# Altium PCB WX0.007.100PCB-4.2.PcbDoc (part 1 of 2) (continued)
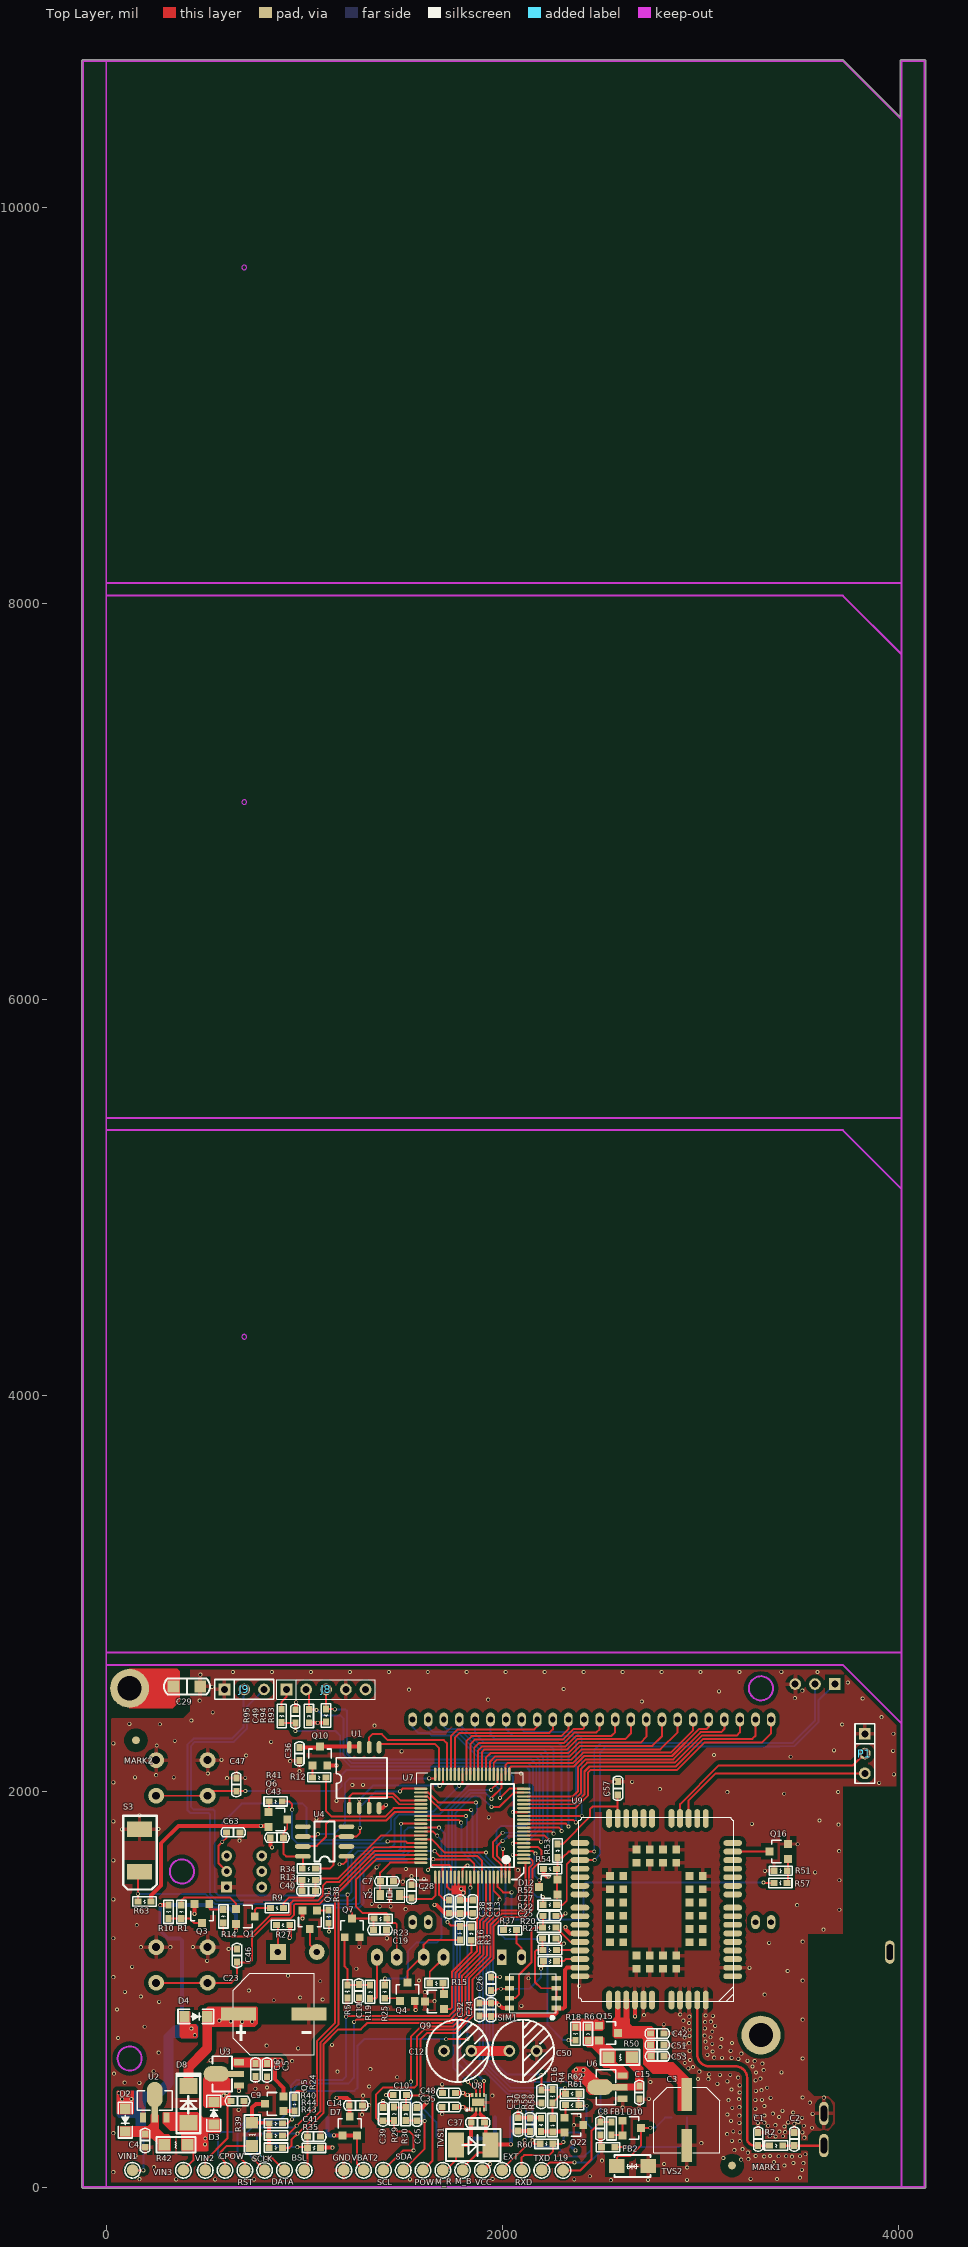
[diagram p0: Top Layer view]
## Components (designator, comment, footprint, x,y, rotation, side; value= is the part's Value field where it differs from the comment) (continued)
POW "TEST-PAD" TEST-PAD 1600,85 r90 top
Q1 "PNPS-9012" SOT-23 703,1367 r270 top
Q3 "NPNS-9013" SOT-23 483,1382 r180 top
Q4 "PNPS-9012" SOT-23 1521,987 r0 top
Q5 "PNPS-9012" SOT-23 849,421 r90 top
Q6 "PNPS-9012" SOT-23 867,1857 r270 top
Q7 "NPNS-9013" SOT-23 1242,1309.24 r0 top
Q9 "PNPS-9012" SOT-23 1658,938 r90 top
Q10 "PNPS-9012" SOT-23 1079,2177.74 r0 top
Q11 "NPNS-9013" SOT-23 1028,1350.74 r180 top
Q15 "UT3401ZG" SOT-23 2537,777.74 r270 top
Q16 "NPNS-9013" SOT-23 3397,1695.74 r90 top
Q22 "PNPS-9012" SOT-23 2362,313 r270 top
R1 "10k" RES0603 379,1357.74 r90 top
R2 "0R 5%" RES0603 3417,210 r180 top
R3 "3K 5%" RES0603 1844,1314 r270 top
R4 "1K" RES0603 2254,426 r90 top
R5 "47K 5%" RES0603 1218,955 r90 top
R6 "2M 5%" RES0603 2433,807.74 r270 top
R9 "330k" RES0603 829,1410 r0 top
R10 "10k" RES0603 314,1357.74 r90 top
R12 "3K 5%" RES0603 1109,2069.74 r180 top
R13 "220k" RES0603 1056,1552 r180 top
R14 "3k" RES0603 591,1335 r90 top
R15 "100R 5%" RES0603 1701,1030 r180 top
R16 "20K 5%" RES0603 1786,1316 r270 top
R18 "200K 5%" RES0603 2370,741.74 r90 top
R19 "20K 5%" RES0603 1333,1020 r270 top
R20 "22R 5%" RES0603 2274,1197 r180 top
R21 "22R 5%" RES0603 2208,1141 r0 top
R22 "22R 5%" RES0603 2204,1312 r0 top
R23 "20K 5%" RES0603 1352,1356 r0 top
R24 "3K 5%" RES0603 951,452 r270 top
R25 "10K 5%" RES0603 1407,954 r90 top
R27 "51R 5%" RES0603 860,1324 r0 top
R29 "5.1K 5%" RES0603 1454,403.74 r270 top
R30 "5.1K 5%" RES0603 1513,402.74 r270 top
R34 "20K 5%" RES0603 990,1609 r0 top
R35 "1M 5%" RES0603 1016,199 r0 top
R37 "1K 5%" RES0603 2006,1298 r0 top
R38 "3K 5%" RES0603 1122,1332.74 r90 top
R39 "51R 5%" RES1206 737,207 r90 top
R40 "10K 5%" RES0603 890,322 r180 top
R41 "3K 5%" RES0603 889,1948 r180 top
R42 "0R 5%" RES1206 293,214 r0 top
R43 "10K 5%" RES0603 890,199 r180 top
R44 "10K 5%" RES0603 890,261 r180 top
R50 "0R 5%" RES1206 2655,656 r180 top
R51 "20K 5%" RES0603 3440,1597.74 r180 top
R52 "1K 5%" RES0603 2207,1426 r0 top
R53 "20K 5%" RES0603 2280,1733 r270 top
R54 "NC" RES0603 2208,1607 r0 top
R57 "3K 5%" RES0603 3372,1536.74 r0 top
R58 "1K 5%" RES0603 2255,346 r270 top
R59 "10K 1%" RES0603 2196,281 r90 top
R60 "1K 5%" RES0603 2190,219 r0 top
R61 "10K 1%" RES0603 2320,414 r0 top
R62 "1K 5%" RES0603 2320,472 r0 top
R63 "1M 5%" RES0603 160,1443 r0 top
R93 "10K" RES0603 1110,2348.74 r90 top
R94 "10K" RES0603 1024,2412.74 r270 top
R95 "100R" RES0603 886,2346.74 r90 top
RST "TEST-PAD" TEST-PAD 700,85 r0 top
RXD "TEST-PAD" TEST-PAD 2100,85 r90 top
S1 "SWT_4_600_600_430" SWT_4_600_600 381.89,2066.93 r180 bottom locked
S2 "SWT_4_600_600_430" SWT_4_600_600 381.89,1122.05 r180 bottom locked
S3 "SWS_2_520_300_300" SWS_2_520_300 168,1592 r270 top
SCL "TEST-PAD" TEST-PAD 1400,85 r90 top
SCLK "TEST-PAD" TEST-PAD 800,85 r90 top
SDA "TEST-PAD" TEST-PAD 1500,85 r90 top
SIM1 "SIMIC" SIMIC 2037,1078 r270 top
TVS1 "SMBJ6.0CA" DO-214AA 1761,213 r0 top
TVS2 "SMAJ5.0CA" SMAJ5.0CA 2658,107 r0 top
TXD "TEST-PAD" TEST-PAD 2200,85 r90 top
U1 "GD25VQ80CSIG" SOP-8L-200MIL 1228,1914.74 r90 top
U2 "CE6232A50P" SOT-89 245,388 r0 top
U3 "CE6232A33P" SOT-89 635,571.74 r90 top
U4 "ESAM" SOP-8 1213,1670.74 r180 top
U6 "CE6232A36P" SOT-89 2573,505 r90 top
U7 "FM33LG0x8" LQFP80 1849,1825.74 r180 top locked
U8 "DRV8837DSGR" S-PWSON-N8 1878.49,428.74 r90 top
U9 "BC95B5JC-02-STD" BC95B5JC-02-STD 2778.43,1403.74 r180 top
VBAT2 "TEST-PAD" TEST-PAD 1300,85 r180 top
VCC "TEST-PAD" TEST-PAD 1900,85 r90 top
VIN1 "TEST-PAD" TEST-PAD 133,85 r180 top
VIN2 "TEST-PAD" TEST-PAD 500,85 r180 top
VIN3 "TEST-PAD" TEST-PAD 390,85 r180 top
Y2 "XTALSG12MD_32.768kD" SMD-3215_2P 1482,1475.74 r180 top

## Footprints (in the part's own frame and the unit in brackets; to place one, negate y for a bottom-side part, rotate by r counter-clockwise, add the part's x,y. Pads: shape width x height; smd on the part's side, far side on the other; paste and mask are expansions set on the pad)
220uf [mm]
  rect 4.2x1.4 smd: 1(-3.267,0) 2(3.267,0)
  silkscreen extent -4.2,-4.23 4.2,4.23
"Bar Code1" [mil]
  silkscreen extent 0,0 965,256
BC95B5JC-02-STD [mm]
  oval 2.4x0.75 smd: 1(-9.8,8.6) 2(-9.8,7.5) 3(-9.8,6.4) 4(-9.8,5.3) 5(-9.8,4.2) 6(-9.8,3.1) 7(-9.8,2) 8(-9.8,0.9) 9(-9.8,-0.2) 10(-9.8,-1.9) 11(-9.8,-3) 12(-9.8,-4.1) 13(-9.8,-5.2) 14(-9.8,-6.3) 15(-9.8,-7.4) 16(-9.8,-8.5) 28(9.8,-8.5) 29(9.8,-7.4) 30(9.8,-6.3) 31(9.8,-5.2) 32(9.8,-4.1) 33(9.8,-3) 34(9.8,-1.9) 35(9.8,-0.2) 36(9.8,0.9) 37(9.8,2) 38(9.8,3.1) 39(9.8,4.2) 40(9.8,5.3) 41(9.8,6.4) 42(9.8,7.5) 43(9.8,8.6)
  oval 0.75x2.4 smd: 17(-6.35,-11.65) 18(-5.25,-11.65) 19(-4.15,-11.65) 20(-3.05,-11.65) 21(-1.95,-11.65) 22(0.55,-11.65) 23(1.65,-11.65) 24(2.75,-11.65) 25(3.85,-11.65) 26(4.95,-11.65) 27(6.05,-11.65) 44(6.05,11.65) 45(4.95,11.65) 46(3.85,11.65) 47(2.75,11.65) 48(1.65,11.65) 49(0.55,11.65) 50(-1.95,11.65) 51(-3.05,11.65) 52(-4.15,11.65) 53(-5.25,11.65) 54(-6.35,11.65)
  rect 1x1 smd: 55(-5.95,4.25) 56(-5.95,2.55) 57(-5.95,0.85) 58(-5.95,-0.85) 59(-5.95,-2.55) 60(-5.95,-4.25) 61(-2.55,-7.65) 62(-0.85,-7.65) 63(0.85,-7.65) 64(2.55,-7.65) 65(5.95,-4.25) 66(5.95,-2.55) 67(5.95,-0.85) 68(5.95,0.85) 69(5.95,2.55) 70(5.95,4.25) 71(2.55,7.65) 72(0.85,7.65) 73(-0.85,7.65) 74(-2.55,7.65) 75(-4.25,4.25) 76(-4.25,2.55) 77(-4.25,0.85) 78(-4.25,-0.85) 79(-4.25,-2.55) 80(-4.25,-4.25) 81(-2.55,-5.95) 82(-0.85,-5.95) 83(0.85,-5.95) 84(2.55,-5.95) 85(4.25,-4.25) 86(4.25,-2.55) 87(4.25,-0.85) 88(4.25,0.85) 89(4.25,2.55) 90(4.25,4.25) 91(2.55,5.95) 92(0.85,5.95) 93(-0.85,5.95) 94(-2.55,5.95)
  silkscreen extent -9.95,-11.8 9.95,11.8
CAP0603 [mil]
  rect 35x31 smd: 1(-0.49,0) 2(66.51,0)
  silkscreen extent -29,-24 94,23, body extent 1,-15 72,15, height 20
CAP1206 [mil]
  rect 60x60 smd: 1(0,0) 2(134.8,0)
  silkscreen extent -48,-40 184,40, body extent -15,-29 163,29, height 20
CAPSM_450_1000_1050 [mm] "10*10.5mm"
  rect 1.65x4.5 smd: 1(0,4.5) 2(0,-4.5)
  silkscreen extent -5.23,-5.23 5.23,5.23
CE-8*11.5 [mil]
  round 60 hole 35.43: 1(0,0) 2(137.8,0)
  silkscreen extent -89,-157 226,157
DO-214AA [mil]
  rect 80x125 smd: 1(5,0) 2(180,0)
  silkscreen extent -45,-80 230,80, body extent -13,-77 203,77, height 96
DO-214AC [mil]
  rect 80x90.55 smd: 1(-92.5,0) 2(92.5,0)
  silkscreen extent -146,-60 156,60, body extent -91,-53 90,53, height 94
HYT-0903 [mil]
  rect 80x80 hole 32: 1(0,0)
  round 80 hole 32: 2(196.85,0)
  silkscreen extent -79,-177 276,177, body extent -78,-176 276,176, height 217
IND0603 [mil]
  rect 35x31 smd: 1(0,0) 2(67,0)
  silkscreen extent -26,-24 92,23, body extent 0,-15 71,15, height 12
IR_254_1000_500 [mil]
  oval 60x86.61 hole 32: 1(50,0) 2(-50,0)
  silkscreen extent -103,-118 118,118
JR-H25808ARP [mm]
  oval 1.1x1.8 hole 0.732: 1(23,13) 2(21,13) 3(19,13) 4(17,13) 5(15,13) 6(13,13) 7(11,13) 8(9,13) 9(7,13) 10(5,13) 11(3,13) 12(1,13) 13(-1,13) 14(-3,13) 15(-5,13) 16(-7,13) 17(-9,13) 18(-11,13) 19(-13,13) 20(-15,13) 21(-17,13) 22(-19,13) 23(-21,13) 24(-23,13) 25(-23,-13) 26(-21,-13) 27(21,-13) 28(23,-13)
  silkscreen extent -30.5,-13 31.5,13, body extent -30.49,-13 30.47,12.87, height 2.5
"KFT DIP-5.8X5.8" [mm]
  rect 1.4x1.4 hole 0.7: 1(-2.25,2)
  round 1.4 hole 0.7: 2(-2.25,0) 3(-2.25,-2) 4(2.25,-2) 5(2.25,0) 6(2.25,2)
  silkscreen extent -3.09,-3.56 3.11,3.35
LED2_300 [mm]
  rect 2x1.2 hole 0.813: 1(0,0)
  oval 2x1.2 hole 0.813: 2(0,-2.54)
  silkscreen extent -2.16,-2.53 2.16,0.91, body extent -1.65,-2.91 1.64,0.39, height 5.51
LQFP80 [mm]
  oval 1.7x0.3 smd: 1(-6.6,4.75) 2(-6.6,4.25) 3(-6.6,3.75) 4(-6.6,3.25) 5(-6.6,2.75) 6(-6.6,2.25) 7(-6.6,1.75) 8(-6.6,1.25) 9(-6.6,0.75) 10(-6.6,0.25) 11(-6.6,-0.25) 12(-6.6,-0.75) 13(-6.6,-1.25) 14(-6.6,-1.75) 15(-6.6,-2.25) 16(-6.6,-2.75) 17(-6.6,-3.25) 18(-6.6,-3.75) 19(-6.6,-4.25) 20(-6.6,-4.75) 41(6.6,-4.75) 42(6.6,-4.25) 43(6.6,-3.75) 44(6.6,-3.25) 45(6.6,-2.75) 46(6.6,-2.25) 47(6.6,-1.75) 48(6.6,-1.25) 49(6.6,-0.75) 50(6.6,-0.25) 51(6.6,0.25) 52(6.6,0.75) 53(6.6,1.25) 54(6.6,1.75) 55(6.6,2.25) 56(6.6,2.75) 57(6.6,3.25) 58(6.6,3.75) 59(6.6,4.25) 60(6.6,4.75)
  oval 0.3x1.7 smd: 21(-4.75,-6.6) 22(-4.25,-6.6) 23(-3.75,-6.6) 24(-3.25,-6.6) 25(-2.75,-6.6) 26(-2.25,-6.6) 27(-1.75,-6.6) 28(-1.25,-6.6) 29(-0.75,-6.6) 30(-0.25,-6.6) 31(0.25,-6.6) 32(0.75,-6.6) 33(1.25,-6.6) 34(1.75,-6.6) 35(2.25,-6.6) 36(2.75,-6.6) 37(3.25,-6.6) 38(3.75,-6.6) 39(4.25,-6.6) 40(4.75,-6.6) 61(4.75,6.6) 62(4.25,6.6) 63(3.75,6.6) 64(3.25,6.6) 65(2.75,6.6) 66(2.25,6.6) 67(1.75,6.6) 68(1.25,6.6) 69(0.75,6.6) 70(0.25,6.6) 71(-0.25,6.6) 72(-0.75,6.6) 73(-1.25,6.6) 74(-1.75,6.6) 75(-2.25,6.6) 76(-2.75,6.6) 77(-3.25,6.6) 78(-3.75,6.6) 79(-4.25,6.6) 80(-4.75,6.6)
  silkscreen extent -6.62,-6.81 7.1,6.91, body extent -5.33,-5.33 5.36,5.33, height 2
MARK [mm]
  round 1 smd: 0(0,0)
  round 1 smd far side: 1(0,0)
  Top Layer pour cut-out: -1.5,0 -1.386,-0.574 -1.061,-1.061 -0.574,-1.386 0,-1.5 0,-1.5 0.574,-1.386 1.061,-1.061 1.386,-0.574 1.5,0 1.5,0 1.386,0.574 1.061,1.061 0.574,1.386 0,1.5 0,1.5 -0.574,1.386 -1.061,1.061 -1.386,0.574 -1.5,0
  Bottom Layer pour cut-out: -1.5,0 -1.386,-0.574 -1.061,-1.061 -0.574,-1.386 0,-1.5 0,-1.5 0.574,-1.386 1.061,-1.061 1.386,-0.574 1.5,0 1.5,0 1.386,0.574 1.061,1.061 0.574,1.386 0,1.5 0,1.5 -0.574,1.386 -1.061,1.061 -1.386,0.574 -1.5,0
PIN254_1*3*WXHJ [mm]
  rect 1.5x1.5 hole 0.9: 1(0,0)
  round 1.5 hole 0.9: 2(2.54,0) 3(5.08,0)
  silkscreen extent -1.27,-1.27 6.35,1.27
PIN254_1*5SR [mil]
  rect 60x60 hole 35: 1(0,0)
  round 60 hole 35: 2(100,0) 3(200,0) 4(300,0) 5(400,0)
  silkscreen extent -50,-50 450,50
RES0603 [mil]
  rect 35x31 smd: 1(0,0) 2(67,0)
  silkscreen extent -26,-24 92,23, body extent 0,-15 71,15, height 12
RES1206 [mil]
  rect 60x60 smd: 1(0,0) 2(118.11,0)
  silkscreen extent -39,-39 157,39, body extent -28,-29 150,29, height 20
S-PWSON-N8 [mm]
  rect 0.5x0.28 smd: 1(-0.95,0.75) 2(-0.95,0.25) 3(-0.95,-0.25) 4(-0.95,-0.75) 5(0.95,-0.75) 6(0.95,-0.25) 7(0.95,0.25) 8(0.95,0.75)
  rect 0.9x1.6 smd: 9(0,0)
  silkscreen extent -1.09,-1.05 1.04,1.52, body extent -0.98,-1 1.02,1, height 0.77
SIMIC [mm]
  rect 0.6x1.2 smd: 1(4.405,6) 2(3.135,6) 3(1.865,6) 4(0.595,6) 5(0.595,0) 6(1.865,0) 7(3.135,0) 8(4.405,0)
  silkscreen extent 0,0 5.73,6, body extent 0,0 4.95,5.97, height 0.6
SMAJ5.0CA [mm]
  rect 2x1.8 smd: 1(-2,0) 2(2,0)
  silkscreen extent -2.3,-1.4 2.3,1.4
SMD-3215_2P [mm]
  rect 1x1.3 smd: 1(0,0) 2(2.5,0)
  silkscreen extent -0.69,-0.91 3.19,0.91, body extent -0.3,-0.99 2.9,0.99, height 0.7
SMT2-2.0 [mm]
  oval 1x3.8 smd: 1(1,2.95) 2(-1,2.95)
  rect 1.5x3.4 smd: 3(-3.35,-2.95) 4(3.35,-2.95)
  silkscreen extent -4.67,-5.15 4.57,5.2
SMT-1.5-4 [mm]
  oval 0.8x2.5 smd: 1(-2.25,0) 2(-0.75,0) 3(0.75,0) 4(2.25,0)
  rect 1.5x3 smd: 5(-4.949,-3.95) 6(4.824,-3.95)
  silkscreen extent -5.92,-5.6 5.77,1.62
SMT-1.25-5 [mm]
  oval 0.5x1.6 smd: 1(-2.5,0) 2(-1.25,0) 3(0,0) 4(1.25,0) 5(2.5,0)
  rect 2.1x3 smd: 6(-5.05,-2.9) 7(5.05,-2.9)
  silkscreen extent -6.42,-4.95 6.4,1.1
SMT-1.25-6 [mm]
  oval 0.5x1.6 smd: 1(-3.15,1.45) 2(-1.9,1.45) 3(-0.65,1.45) 4(0.6,1.45) 5(1.85,1.45) 6(3.1,1.45)
  rect 2.1x3 smd: 7(-5.65,-1.45) 8(5.65,-1.45)
  silkscreen extent -7.05,-3.5 7,2.55
SOD-123FL [mm]
  rect 1.3x1.4 smd: 1(0.074,0) 2(2.974,0)
  silkscreen extent -0.78,-0.9 3.82,0.9, body extent -0.28,-0.82 3.32,0.82, height 0.95
SOP-8 [mil]
  oval 80x24 smd: 1(0,0) 2(0,-50) 3(0,-100) 4(0,-150) 5(220,-150) 6(220,-100) 7(220,-50) 8(220,0)
  silkscreen extent 60,-175 160,25, body extent -7,-171 229,21, height 67
SOP-8L-200MIL [mm]
  oval 1.6x0.61 smd: 1(0,0) 2(0,-1.27) 3(0,-2.54) 4(0,-3.81) 5(7.8,-3.81) 6(7.8,-2.54) 7(7.8,-1.27) 8(7.8,0)
  silkscreen extent 1.27,-4.83 6.48,1.68, body extent 0.89,-4.35 6.89,0.55, height 1.7
SOT-23 [mil]
  rect 40x40 smd: 1(-37.4,-47.24) 2(37.4,-47.24) 3(0,47.24)
  silkscreen extent -57,-12 57,35, body extent -57,-55 57,55, height 47
SOT-89 [mm]
  rect 0.8x1.27 smd: 1(-1.5,-0.9) 3(1.5,-0.9)
  rect 0.8x2.54 smd: 2(0,-0.265)
  oval 2x3.3 smd: 2(0,2)
  silkscreen extent -2.25,0 2.25,2.5, body extent -2.25,-1.02 2.25,2.92, height 1.4
SWS_2_520_300 [mm]
  rect 2x3.2 smd: 1(0,0) 2(-5.5,0)
  silkscreen extent -7.2,-2.08 2.25,2.2
SWT_4_600_600 [mil]
  round 80 hole 40: 1(-130,-90) 1(130,-90) 2(-130,90) 2(130,90)
  silkscreen extent -180,-140 180,140, body extent -130,-90 130,90, height 157
TEST-PAD [mm]
  round 1.5 smd: 1(0,0)
  silkscreen extent -1,-1 1,1

## Part data
119 BSL CPOW DATA EXT GND M_B M_R POW RST RXD SCL SCLK SDA TXD VBAT2 VCC VIN1 VIN2 VIN3: library part AD_WXHJ_TEST-PAD_01, "单面焊盘测试点"
*: library part "AD_WXHJ_Bar Code_02", "条形码 ,填充，无需焊接器件"
B1: library part 1010602-0007, "直插,直径9mm,高5.5mm,5 V,2 V,30 mA,兴化市华宇电子有限公司,HYT-0903"
C1 C2: library part 101020103-0005
C3: library part 1010203-0029, "220UF"
C4 C5 C8 C10 C13 C14 C15 C31 C32 C35 C36 C37 C38 C41 C43 C44 C46 C47 C48 C51 C63: library part 101020103-0021, "104pF,50 V,±10%,0603,国巨,CC0603KRX7R9BB104"
C6 C9 C30: library part 101020103-0026, "106pF,10 V,±10%,0603,村田,GRM188R61A106KE47D"
C7 C28: library part 101020103-0005, "12P,50 V,±5%,0603,国巨,CC0603JRNPO9BN12"
C11 C42: library part 101020103-0014, "10pF,50 V,±5%,0603,X7R,国巨,CC0603JRNPO9BN100"
C12 C50: library part 1010202-0015, "1F,2.75 V,-20%~+20%,8mm*16mm,红宝石,2.7 DMC 1 M MY4 8X16"
C16 C24 C25 C26 C27 C39 C45 C49 C53: library part 101020103-0027, "33pF,50 V,±10%,0603,国巨,CC0603KRNPO9BN33"
C19: library part 101020103-0010, "101pf,50 V,±5%,0603,国巨,CC0603JRNP09BN101"
C23: library part 1010203-0029, "1000UF,16V,±20%,贴片10*10.2MM,深圳市三炎科电子科技有限公司,16V1000UF"
C29: library part 101020103-0021, "103P/1KV,±10％,1206"
C40: library part CAP, "无极性电容"
C57: library part 101020103-0003, "105pF,16 V,±10%,0603,国巨,CC0603KRX7R7BB105"
D1: library part 101040102-0001, "圆形插件,3mm 圆形,插件,红光,湖北匡通电子有限公司,3BB4HC"
D2: library part 101040101-0048, "DS36W,SOD123-FL,3 A,42 V,60 V,浙江领晨科技有限公司,DS36W"
D3: library part 101040101-0048, "DS12W,SOD-123FL,1 A,0.55 V,20 V,领晨科技,DS12W"
D4: library part 101040101-0055, "DS36W,SOD123-FL,3 A,42 V,60 V,浙江领晨科技有限公司,DS36W"
D5: library part 101040101-0034, "直插,Φ5.8mm圆头透明色，,0.1 A,4 V,5 V,上海品观电子有限公司,AT205B"
D6: library part 101040101-0035, "Φ5.8mm圆头黑色，光电接收管,Φ5.8mm,0.01 A,1.2 V,60 V,上海品观电子,AT405-PD-01"
D7 D10 D12: library part 101040101-0038, "BAT54CLT1，SOT23-3,SOT23-3,0.2 A,0.8 V,30 V,安森美,BAT54CLT1"
D8: library part 101040101-0009, "SS12,DO-214AC,1 A,0.55 V,20 V,昶鑫,SS12"
FB1 FB2: library part 109010101-0003, "chilisin(奇力新),0603,30Ω ±25% @100MHz,150 V,125 ℃,PBY160808T-300Y-N,-55 ℃,不含铅,,,圆盘,30Ω ±25% @100MHz"
J1 J6 J7 P5: library part 1010902-0125, "PH2.0_2AWR 卧,贴片卧式,母头,单排,2针2.0mm"
J3: library part 1010902-0126, "4针1.5mm间距，贴片卧式,9.0mm*6.5mm,公头,单排,4针1.5mm间距，贴片卧式"
J4: library part 1010902-0121, "1.25-6AWR 卷,6针1.25mm,母头,单排,贴片卧式"
J8: "Header, 5-Pin"
J9: library part AD_WXHJ_PinHeader_04, "1*3 ，Φ1.0 ，2.54mm，直脚,无需焊接器件"
K1: library part 1011001-0037, "7*7无锁按键,点触,7*7*12.5mm,7*7无锁按键,正立"
LCD1: library part 1010801-0050, "4.4V,61mm*23.5mm*26mm,针脚,段码,126,HTN,半透,60 ℃,-20 ℃,安徽金视界光电科技有限公司,GVH25995A-HPP"
MARK1 MARK2: library part AD_WXHJ_MARK_01, "MARK点"
Q1 Q4 Q5 Q6 Q9 Q10 Q22: library part 101040201-0001, "9012,PNP,SOT-23,JCET;长电,S9012"
Q3 Q7 Q11 Q16: library part 101040201-0002, "9013,NPN,SOT-23,长电,S9013"
Q15: library part 101040201-0013, "UT3401ZG,P-MOS,SOT-23,UTC,UT3401ZG"
R1 R9 R10 R13 R14 R93 R94 R95: library part RES
R2: library part 101010103-0001, "国巨,±5%,0603,,155 ℃,-55 ℃,RC0603J2-070RL,无铅,200 ppm/℃,1/10W,,0R"
R3 R12 R24 R38 R57: library part 101010103-0006, "国巨,±5%,0603,,155 ℃,-55 ℃,RC0603JR-073KL,无铅,100 ppm/℃,1/10W,,3K"
R4: library part RES2
R5: library part 101010103-0012, "47K,±5%,1/10W,0603,国巨,RC0603JR-0747KL"
R6: library part 101010103-0025, "国巨,±5%,0603,,155 ℃,-55 ℃,RC0603JR-072ML,含铅,100 ppm/℃,1/10W,,2M"
R15: library part 101010103-0022, "100R,±5%,1/10W,0603,国巨,RC0603JR-07100RL"
R16 R19 R23 R34 R51 R53 R54: library part 101010103-0004, "国巨,±5%,0603,,155 ℃,-55 ℃,RC0603JR-0720KL,无铅,200 ppm/℃,1/10W,,20K"
R18: library part 101010103-0034, "200K,±5%,1/10W,0603,国巨,RC0603JR-07200KL"
R20 R21 R22: library part 101010103-0009, "国巨,±5%,0603,,155 ℃,-55 ℃,RC0603JR-0722RL,无铅,200 ppm/℃,1/10W,,22欧"
R25 R40 R41 R43 R44: library part 101010103-0003, "国巨,±5%,0603,,155 ℃,-55 ℃,RC0603JR-0710KL,无铅,200 ppm/℃,1/10W,,10K"
R27: library part 101010103-0037, "国巨,±5%,0603,,155 ℃,-55 ℃,RC0603JR-0751RL,无铅,100 ppm/℃,1/10W,,51欧"
R29 R30: library part 101010103-0015, "国巨,±5%,0603,,155 ℃,55 ℃,RC0603JR-075.1KL,无铅,200 ppm/℃,1/10W,,5.1k"
R35 R63: library part 101010103-0002, "国巨,±5%,0603,,155 ℃,-55 ℃,RC0603JR-071ML,无铅,200 ppm/℃,1/10W,,1M"
R37 R52 R58 R60 R62: library part 101010103-0008, "1K,±5%,1/10W,0603,国巨,RC0603JR-071KL"
R39: library part 101010101-0029, "51Ω,±5%,1/4W,1206,国巨,RC1206JR-0751RL"
R42 R50: library part 101010101-0013, "0Ω,±5%,1/4W,1206,国巨,RC1206JR-070RL"
R59 R61: library part 101010103-0052, "10K±1%,1/10W,0603"
S1 S2: library part 1011001-0027, "TS-1102,机械轻触,6*6*4.3直插,6*6*4.3直插,乐清市羽欧电子"
S3: library part 1011001-0041, "CSX-SEN-645B,垂直45°开关转换,3*5.2mm,360°任意方位倾斜检测,深圳市成晟科技有限公司"
SIM1: library part AD_XN_SIMIC_01, "SIMIC虚拟器件"
TVS1: library part 101040101-0024, "SMBJ6.0CA,DO-214AA,10.3 V,6.0 V,600 W,58.3 A,800 uA,上海君耀电子有限公司,SMBJ6.0CA"
TVS2: library part SMAJ5.0CA_C693487
U1: library part 101050101-0165, "GD25VQ80CSIG,SOP8 208mil,北京兆易创新科技股份有限公司,GD25VQ80CSIG"
U2: library part 1010503-0013, "S-1206B50-U3,S-1206B50-U3,SOT89-3,6.5 V,1.7 V,0.2 V,5 V,250mA@VIN≧VOUT(S)＋1.0 V﹐1.5 V≦VOUT(S),1 uA,精工电子"
U3: library part 1010503-0002, "S-1206B33-U3T1G,S-1206B33-U3T1G,SOT89-3,6.5 V,1.7 V,0.15 V,3.3 V,250mA@VIN≧VOUT(S)＋1.0 V﹐1.5 V≦VOUT(S),1 uA,精工电子"
U4: library part AD_XN_ESAM_01, "ESAM虚拟器件"
U6: library part 1010503-0031, "CE6232A36P,CE6232A36P,SOT89-3,8 V,1.8 V,0.11 V,3.6 V,600mA,0.8 uA,南京芯力微电子有限公司"
U8: library part 101050101-0060, "DRV8837DSGR,S-PWSON-N8,TI,DRV8837DSGR"
U9: library part 1011402-0141, "BC95-B5,23.6mm*19.9mm*2.2mm,BC95B5JC-02-STD,LCC贴片封装,上海移远通信技术股份"
Y2: library part 1010601-0009, "SCX3215(SCX3213089);32.768kHz;精度20%;负载电容12.5pF,3215,32.768kHz,0.03 ppm/℃,无源,Q-SC32S03220C5AAAF,SCX3215"

## Free pads (board coordinates)
  round 196.85 hole 122.05: 0(118.11,2519.69) 0(3307.09,767.72)
  oval 47.24x118.11 hole 31.5 slot 78.74 at 90 deg: 0(3625,372) 0(3958,1187) 1(3625,210)

## Via types
v1: diameter 20, hole 12, Top Layer to Bottom Layer, tented both sides, 489 vias

## Nets (pads, with @x,y where several pads share a name; then routed paths per layer and width w, separated by ;. In a path a pad name is that pad's centre, name@x,y a point inside that pad or via, vN(x,y) a via of type N, cw(c..) or ccw(c..) an arc to the next point about the centre after c; other vN are vias at no path point)
3.6V: C9.1 C14.1 D3.2 D7.3 U3.2 VIN2.1 | length 556.7
  Top Layer w10: VIN2.1@500,85 500,134 612.51,246.51 C9.1@612.51,435 ; 605,437.23 C9.1@612.51,437.23
  Top Layer w20: v1(1164,451) 1216,451 1227.51,439.49 C14.1@1227.51,413 1227.51,358.74 D7.3@1230,356.24
  other v1: 592,462 608,476
5V: C12.1 C35.1 D3.1 D8.1 R42.2 U2.3 U8.1 VIN3.1 | length 217.2
  Top Layer w10: VIN3.1@390,85 440.11,135.11 R42.2@440.11,211.74
  Top Layer w20: C35.1@1776.49,404 1807,404 v1(1819.66,391.34) 1841,391.34
  other v1: 499,215.74 500,245.74 1800,404
119: 119.1 C8.1 FB1.1 U7.43 | length 2815.4
  Top Layer w10: U7.43@1609.16,1973.38 1622.35,1973.38 1634.62,1961.11 1634.62,1960.34 1688.96,1906 v1(1843,1906) ; 119.1@2289,102 119.1@2307,84 2394,84 2452,142 2452,285.49 C8.1@2496,329.49 ; v1(2497,370) 2496,369 C8.1@2496,329.49 ; FB1.1@2553,330 2552.49,329.49 C8.1@2496,329.49
  Bottom Layer w10: v1(1843,1906) 1849,1900 1849,1691.25 1936.8,1603.45 1936.8,631.33 2037.12,531 2304.57,531 2305.57,532 2354.57,532 2363.57,523 2467,523 2497,493 v1(2497,370)
BUZZ: R38.1 U7.71 | length 1173.1
  Top Layer w10: R38.1@1122,1332.74 1125,1329.74 v1(1125,1291) ; v1(1651,1657) 1652,1656 1836.17,1656 1858.84,1633.32 U7.71@1858.84,1565.9
  Bottom Layer w10: v1(1125,1291) 1125,1403 1123,1405 1131,1413 1280.04,1413 1299,1431.96 1299,1599 1347,1647 1514,1647 1524,1657 v1(1651,1657)
CARD_INTP: BSL.1 C41.1 J4.1 R35.1 U7.75 | length 2386.6
  Top Layer w10: v1(965,202) R35.1@1016,202 ; BSL.1@1000,85 1016,101 R35.1@1016,199 R35.1@1016,202 ; U7.75@1937.58,1565.9 1937.58,1458.99 1939,1457.57 1939,1371.12 1906,1338.12 1906,1176.12 1798,1068.12 1798,881.92 1745.08,829 1318,829 1286,797 1172.08,797 1098,722.92 1098,375 1016,293 R35.1@1016,202
  Bottom Layer w10: 823.02,217.09 855,217.09 870.09,202 v1(965,202)
CARD_POW: CPOW.1 J4.6 R39.1 U7.72 | length 2839.5
  Top Layer w10: CPOW.1@600,85 600,126 v1(575,151) 575,175 607,207 R39.1@757,207 ; v1(1212,861) 1216,865 1733,865 1764,896 1764,1082.21 1872,1190.21 1872,1352.21 1878.53,1358.73 U7.72@1878.53,1565.9
  Bottom Layer w10: J4.6@563.95,226.09 563.95,264.95 577,278 647.96,278 708.96,339 877,339 933,395 933,513 960,540 1193,540 1212,559 v1(1212,861) ; J4.6@564.95,227.09 564.95,161.05 v1(575,151)
CARD_POW_EN: R24.1 U7.70 | length 1956.9
  Top Layer w10: R24.1@951,452 951,475 962,486 v1(1005,486) ; v1(1717,747) 1822,747 v1(1824,749) ; v1(1839,1512.74) 1839.16,1512.9 U7.70@1839.16,1565.9
  Bottom Layer w10: v1(1005,486) 1253,486 1269,502 1269,714 1302,747 v1(1717,747) ; v1(1824,749) 1824,1448 1834,1458 1834,1507.74 v1(1839,1512.74)
CARD_RST: J4.4 R40.1 RST.1 U7.74 | length 2628.2
  Top Layer w10: v1(675.38,149.38) 700,124.76 RST.1@700,85 ; R40.1@877,322 917.43,322 v1(937.93,342.5) ; v1(1252,835) 1263,846 1738.04,846 1781,888.96 1781,1075.17 1889,1183.17 1889,1345.17 1918,1374.17 1918,1565.79 U7.74@1917.9,1565.9
  Bottom Layer w10: v1(675.38,149.38) 663.38,161.38 J4.4@663.38,227.09 663.38,269.38 716,322 917.43,322 v1(937.93,342.5) 950,354.57 950,500 973,523 1222,523 1251,552 1250,553 1252,555 v1(1252,835)
CARD_SCLK: J4.3 R44.1 SCLK.1 U7.57 | length 2392.2
  Top Layer w10: v1(744,142) 744,141 SCLK.1@800,85 ; R44.1@877,261 914,261 953,300 ; v1(962,310) 962,309 1064,411 1064,737 1155,828 1155,1495.25 1277,1617.25 1277,1617.66 1357.08,1697.74 1609.11,1697.74 U7.57@1609.16,1697.79
  Bottom Layer w10: v1(744,142) 712.59,173.41 J4.3@712.59,227.09 709,230.68 709,274 736,301 953,301 v1(962,310)
CARD_SDA: DATA.1 J4.2 R43.1 U7.58 | length 2427.2
  Top Layer w10: v1(806,146) 839,146 DATA.1@900,85 ; R43.1@877,199 R43.1@890,199 897,199 898,198 925,198 935,208 935,239 v1(966,270) ; v1@967,269 1081,383 1081,729.96 1172,820.96 1172,1488.21 1294,1610.21 1294,1610.62 1361.49,1678.1 U7.58@1609.16,1678.1
  Bottom Layer w10: v1(806,146) 792,146 761.8,176.2 J4.2@761.8,227.09 761.8,261.8 770.58,270.58 965.42,270.58 v1(966,270)
CLOSE: U7.19 U8.5 | length 3456.5
  Top Layer w10: U8.5@1908.02,466.14 v1(1907.98,535.98) ; v1(1946,1921) 1986.43,1921 2058.49,1993.06 U7.19@2108.84,1993.06
  Bottom Layer w10: v1@1907.98,536.02 1850,594 ; v1(1946,1921) 1943.57,1921 1891.57,1973 1847,1973 1763,1889 1763,1390.25 ; 1763,1390.25 1788,1365.25 ; 1763,1390.25 1788,1365.25 ; 1788,656 1850,594 ; 1788,656 1850,594 ; 1788,656 1788,1365.25 ; 1788,656 1788,1365.25 ; 1788,656 1788,1365.25
COM0: LCD1.1 U7.6 | length 1340.6
  Top Layer w10: v1(2054,1734.74) 2056.42,1737.16 U7.6@2108.84,1737.16 U7.6@2128.84,1737.16
  Bottom Layer w10: LCD1.1@1547.24,2362.2 1547.24,2322.76 1577.26,2292.74 1633.22,2292.74 1645.19,2280.77 1768.23,2280.77 1873,2176 2169.74,2176 2189,2156.74 2189,1806.74 2117,1734.74 v1(2054,1734.74)
COM1: LCD1.2 U7.7 | length 1187.8
  Top Layer w10: U7.7@2128.84,1756.84 2183.9,1756.84 v1(2197,1743.74)
  Bottom Layer w10: LCD1.2@1625.98,2362.2 1625.98,2324.02 1652.23,2297.77 1775.27,2297.77 1880.04,2193 2186.74,2193 2206,2173.74 2206,1752.74 v1(2197,1743.74)
COM2: LCD1.3 U7.8 | length 1176.3
  Top Layer w10: U7.8@2128.84,1776.53 2212.21,1776.53 2236.57,1752.17 v1(2237,1752.17)
  Bottom Layer w10: LCD1.3@1704.72,2362.2 1704.72,2328.05 1718,2314.77 1782.31,2314.77 1887.08,2210 2210.74,2210 2228,2192.74 2228,1760.74 2236.57,1752.17 v1(2237,1752.17)
COM3: LCD1.4 U7.9 | length 1087.5
  Top Layer w10: U7.9@2128.84,1796.21 2249.53,1796.21 v1(2260,1785.74)
  Bottom Layer w10: LCD1.4@1784.91,2336.09 1785.03,2336.09 1894.12,2227 2243.74,2227 2260,2210.74 v1(2260,1785.74)
COM4: LCD1.5 U7.10 | length 1145.5
  Top Layer w10: U7.10@2128.84,1815.9 2287.84,1815.9 2300,1803.74 v1(2300,1798.74)
  Bottom Layer w10: LCD1.5@1862.2,2362.2 1862.2,2292.8 1909.26,2245.74 2284,2245.74 2300,2229.74 v1(2300,1798.74)
COM5: LCD1.6 U7.11 | length 1118.7
  Top Layer w10: U7.11@2128.84,1835.58 2321.16,1835.58 v1(2335,1821.74)
  Bottom Layer w10: LCD1.6@1940.94,2362.2 1940.94,2287.06 1965.26,2262.74 2312,2262.74 2335,2239.74 v1(2335,1821.74)
COM6: LCD1.7 U7.12 | length 1090.5
  Top Layer w10: U7.12@2128.84,1855.27 2359.47,1855.27 v1(2372,1842.74)
  Bottom Layer w10: LCD1.7@2019.68,2362.2 2019.68,2313.32 2053.26,2279.74 2355,2279.74 2371.79,2262.95 2371.79,1842.95 v1(2372,1842.74)
COM7: LCD1.8 U7.13 | length 1037
  Top Layer w10: U7.13@2128.84,1874.95 v1(2401.79,1874.95)
  Bottom Layer w10: LCD1.8@2098.42,2362.2 2098.42,2313.32 2114,2297.74 2372,2297.74 2401.79,2267.95 v1(2401.79,1874.95)
CSB_IRDA_EN: R25.2 U7.52 | length 1070.4
  Top Layer w10: R25.2@1407,1021 1407,1051 v1(1409,1053) ; U7.52@1609.16,1796.21 1651.53,1796.21 v1(1672,1775.74)
  Bottom Layer w10: v1(1409,1053) 1506,1053 1525,1072 1525,1193 1566.74,1234.74 1669.74,1234.74 1693,1258 1693,1754.74 v1(1672,1775.74)
CSB_IRDA_RX: C19.1 J9.3 Q7.3 R23.1 U7.50 | length 3089.4
  Top Layer w10: v1(1219,1477) 1219,1410 1242,1387 Q7.3@1242,1356.49 1351.51,1356.49 R23.1@1352,1356 1349.51,1353.51 C19.1@1349.51,1300 ; v1(1488.84,1835.58) U7.50@1589.16,1835.58 U7.50@1609.16,1835.58
  Bottom Layer w10: J9.3@797,2514 710,2427 710,2314.96 644.04,2249 448,2249 427,2228 427,1921 441.5,1906.5 541.5,1906.5 548,1900 548,1493 569,1472 1220,1472 1238,1490 1238,1663 1274,1699 1476,1699 1488.84,1711.84 v1(1488.84,1835.58)
CSB_IRDA_TX: J9.2 R3.1 R16.1 U7.51 | length 3559.4
  Top Layer w10: U7.51@1609.16,1815.9 1609.31,1815.74 v1(1681,1815.74) ; v1(1724,1338.74) 1741.37,1321.37 1836.63,1321.37 R3.1@1844,1314
  Bottom Layer w10: J9.2@697,2514 693,2510 693,2322 637,2266 440.96,2266 410,2235.04 410,1905 425.5,1889.5 518.5,1889.5 524,1884 524,1480.04 557.04,1447 1237.43,1447 1260,1469.57 1260,1655 1287,1682 1495,1682 1505.84,1692.84 1505.84,1797 1524.58,1815.74 v1(1681,1815.74) 1710,1786.74 1710,1352.74 v1(1724,1338.74)
DBG_RXD: P1.3 U9.19 | length 1038
  Top Layer w10: U9.19@2941.81,1862.4 2941.81,1953.77 3078.04,2090 P1.3@3832,2090
DBG_TXD: P1.2 U9.20 | length 1111.4
  Top Layer w10: U9.20@2898.5,1862.4 2898.5,1934.5 3094,2130 3772,2130 P1.2@3832,2190
EARTH: C29.1 pad.0@118.11,2519.69
ESAM_CLK: U4.6 U7.40 | length 928.3
  Top Layer w10: U4.6@993,1770.74 1058.74,1770.74 1070,1782 v1(1069,1783) ; v1(1630.74,2065) 1657.99,2065 1661.99,2069 U7.40@1661.99,2085.58
  Bottom Layer w10: v1(1069,1783) 1149,1783 1205,1839 1205,2039 1231,2065 v1(1630.74,2065)
ESAM_POW: R41.1 U7.55 | length 917.3
  Top Layer w10: R41.1@889,1948 925,1948 939,1934 v1(939,1907) ; v1(1421,1746.74) 1512,1746.74 1521.58,1737.16 U7.55@1609.16,1737.16
  Bottom Layer w10: v1(939,1907) 939,1764.22 938.26,1763.48 944,1757.74 965.74,1736 1410.26,1736 v1(1421,1746.74)
ESAM_RST: U4.7 U7.47 | length 707.7
  Top Layer w10: U4.7@1010,1723.74 1063.43,1723.74 1110,1770.31 1110,1834.74 1127,1851.74 1413,1851.74 1455.9,1894.64 U7.47@1609.16,1894.64
ESAM_SDA: R34.2 U4.3 U7.41 | length 873.8
  Top Layer w10: R34.2@1057,1609 1130,1609 1147,1626 1147,1755.74 1165,1773.74 U4.3@1213,1773.74 ; U4.3@1213,1770.74 1263.74,1770.74 1281,1788 v1(1281,1815) ; v1(1484,1998.74) 1499,2013.74 1608.16,2013.74 U7.41@1609.16,2012.75
  Bottom Layer w10: v1(1281,1815) 1281,1918.31 1361.43,1998.74 v1(1484,1998.74)
FLASH_CLK: U1.6 U7.37 | length 600.8
  Top Layer w10: U1.6@1328,2245.83 1328,2271.74 1344,2287.74 1392.26,2287.74 1422.26,2257.74 1705,2257.74 1721.05,2241.69 U7.37@1721.05,2085.58
FLASH_CS: U1.1 U7.44 | length 459.5
  Top Layer w10: U1.1@1228,1914.74 1228,1972.74 1243,1987.74 1451,1987.74 1485.05,1953.69 U7.44@1609.16,1953.69
FLASH_CTL: R12.1 U7.46 | length 705.2
  Top Layer w10: R12.1@1109,2075.74 1109,1900.74 1138.5,1871.24 1408.46,1871.24 1451.54,1914.32 U7.46@1609.16,1914.32
FLASH_MISO: U1.2 U7.38 | length 544.9
  Top Layer w10: U1.2@1278,1914.74 v1(1278,1957.74) ; v1(1684,2027) 1701.36,2044.36 U7.38@1701.36,2085.58
  Bottom Layer w10: v1(1278,1957.74) 1349,2028.74 1682.26,2028.74 v1(1684,2027)
FLASH_MOSI: U1.5 U7.39 | length 447.1
  Top Layer w10: U1.5@1378,2245.83 1386.09,2237.74 1661,2237.74 1681.68,2217.06 U7.39@1681.68,2085.58
FLASH_WP: U1.3 U7.45 | length 347.7
  Top Layer w10: U1.3@1328,1914.74 1328,1962.74 1336,1970.74 1443.96,1970.74 1480.69,1934.01 U7.45@1609.16,1934.01